# KiCad board main.kicad_pcb
title: 19" DIN 41612 Backplane; date: 2023-11-21; rev: 2.1.0; note: Copyright (©) 2023, Patrick Baus <patrick.baus@physik.tu-darmstadt.de>; note: Licensed under CERN OHL-W v2.0
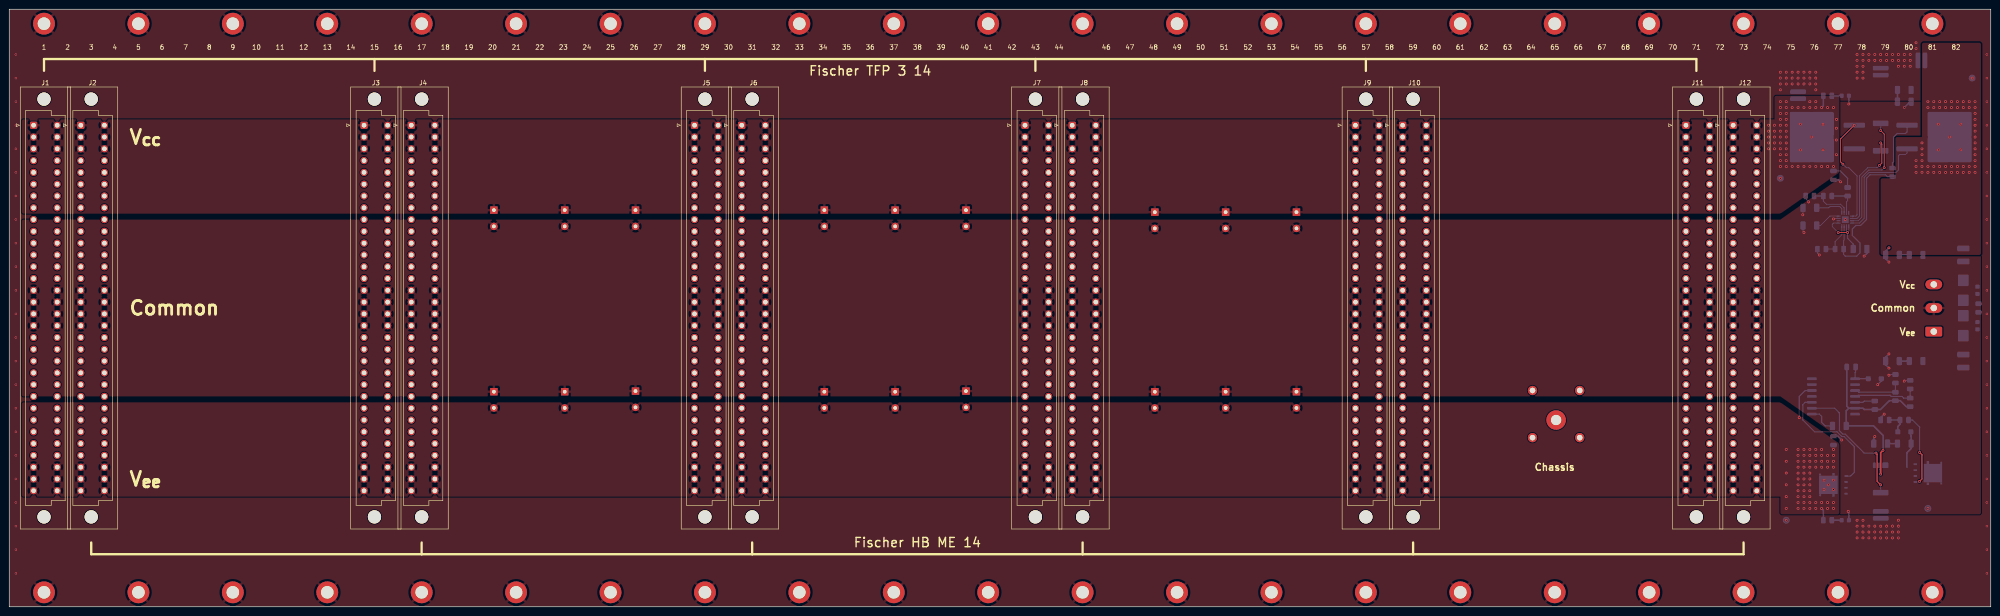
[diagram p0: board, top side]
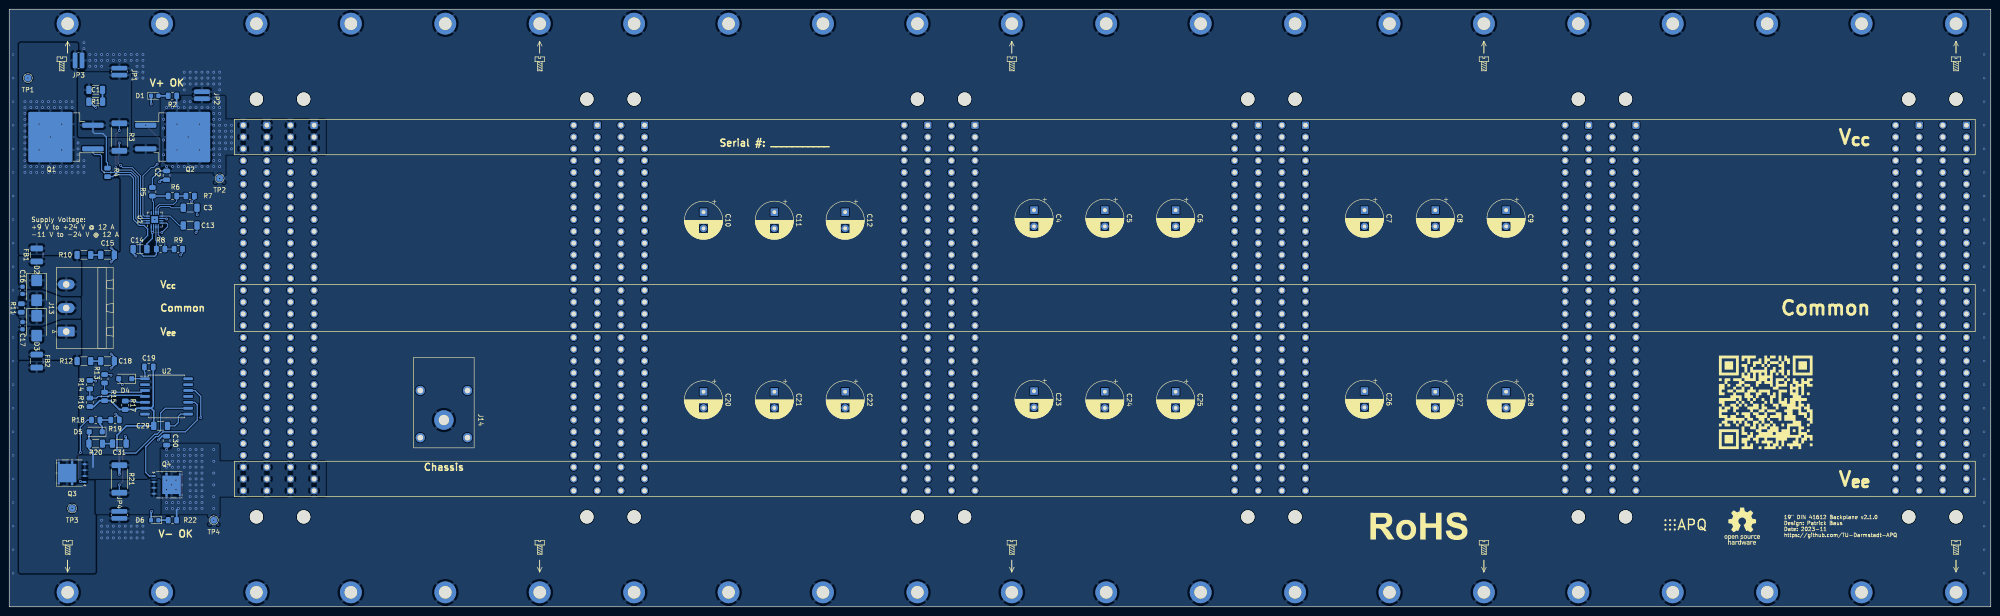
[diagram p1: board, bottom side, seen from below]

Outline 426.42 x 128.7 mm; copper layers: Top, Bottom. Coordinates in mm from the lower left corner of the outline.
Outline path: rectangle 0,128.7 426.42,0
Stack: Top 0.035mm / dielectric 1.51mm FR4 er 4.5 / Bottom 0.035mm

## Placement (name value [footprint] x y rotation side)
C1  1u  [C_1206_3216Metric]  407.82 108.8 0 bottom
C2  100n  [C_0805_2012Metric]  392.58 92.93 270 bottom
C3  1u  [C_1206_3216Metric]  387.5 85.94 180 bottom
C4  220u  [CP_Radial_D8.0mm_P3.50mm]  205.89 85.43 270 bottom
C5  220u  [CP_Radial_D8.0mm_P3.50mm]  190.65 85.43 270 bottom
C6  220u  [CP_Radial_D8.0mm_P3.50mm]  175.41 85.43 270 bottom
C7  220u  [CP_Radial_D8.0mm_P3.50mm]  134.77 85.43 270 bottom
C8  220u  [CP_Radial_D8.0mm_P3.50mm]  119.53 85.43 270 bottom
C9  220u  [CP_Radial_D8.0mm_P3.50mm]  104.29 85.43 270 bottom
C10  220u  [CP_Radial_D8.0mm_P3.50mm]  277.01 85 270 bottom
C11  220u  [CP_Radial_D8.0mm_P3.50mm]  261.77 85 270 bottom
C12  220u  [CP_Radial_D8.0mm_P3.50mm]  246.53 85 270 bottom
C13  470n  [C_1206_3216Metric]  387.5 82.13 180 bottom
C14  1u  [C_1206_3216Metric]  398.29 77.05 0 bottom
C15  1u  [C_1206_3216Metric]  405.28 75.78 180 bottom
C16  10n  [C_0603_1608Metric]  423.57 68.16 90 bottom
C17  10n  [C_0603_1608Metric]  423.57 60.54 270 bottom
C18  1u  [C_1206_3216Metric]  405.28 52.92 0 bottom
C19  100n  [C_0805_2012Metric]  396.39 51.65 180 bottom
C20  220u  [CP_Radial_D8.0mm_P3.50mm]  277.01 46.32 270 bottom
C21  220u  [CP_Radial_D8.0mm_P3.50mm]  261.77 46.32 270 bottom
C22  220u  [CP_Radial_D8.0mm_P3.50mm]  246.53 46.32 270 bottom
C23  220u  [CP_Radial_D8.0mm_P3.50mm]  205.89 46.44 270 bottom
C24  220u  [CP_Radial_D8.0mm_P3.50mm]  190.65 46.32 270 bottom
C25  220u  [CP_Radial_D8.0mm_P3.50mm]  175.41 46.32 270 bottom
C26  220u  [CP_Radial_D8.0mm_P3.50mm]  134.77 46.44 270 bottom
C27  220u  [CP_Radial_D8.0mm_P3.50mm]  119.53 46.32 270 bottom
C28  220u  [CP_Radial_D8.0mm_P3.50mm]  104.29 46.32 270 bottom
C29  1u  [C_1206_3216Metric]  393.85 38.95 0 bottom
C30  100n  [C_0805_2012Metric]  392.58 35.78 270 bottom
C31  1u  [C_1206_3216Metric]  402.74 35.14 0 bottom
D1  Green  [LED_0603_1608Metric]  395.12 110.07 180 bottom
D2  SMBJ40CA  [D_SMB]  420.52 68.16 270 bottom
D3  SMBJ40CA  [D_SMB]  420.52 60.54 270 bottom
D4  3.5 mA  [D_SOD-123F]  401.47 49.11 0 bottom
D5  BZT52H-B15  [D_SOD-123F]  407.82 37.68 0 bottom
D6  Green  [LED_0603_1608Metric]  395.12 18.63 0 bottom
FB1  12R @ 100 MHz  [L_1210_3225Metric]  420.52 75.78 90 bottom
FB2  12R @ 100 MHz  [L_1210_3225Metric]  420.52 52.92 270 bottom
G1  QR_Code  [qr-code]  48.41 44.03 180 bottom
H1  MountingHole  [MountingHole_2.7mm_M2.5_DIN965_Pad]  7.47 125.6 0 top
H2  MountingHole  [MountingHole_2.7mm_M2.5_DIN965_Pad]  27.79 125.6 0 top
H3  MountingHole  [MountingHole_2.7mm_M2.5_DIN965_Pad]  48.11 125.6 0 top
H4  MountingHole  [MountingHole_2.7mm_M2.5_DIN965_Pad]  68.43 125.6 0 top
H5  MountingHole  [MountingHole_2.7mm_M2.5_DIN965_Pad]  88.75 125.6 0 top
H6  MountingHole  [MountingHole_2.7mm_M2.5_DIN965_Pad]  109.07 125.6 0 top
H7  MountingHole  [MountingHole_2.7mm_M2.5_DIN965_Pad]  129.39 125.6 0 top
H8  MountingHole  [MountingHole_2.7mm_M2.5_DIN965_Pad]  149.71 125.6 0 top
H9  MountingHole  [MountingHole_2.7mm_M2.5_DIN965_Pad]  170.03 125.6 0 top
H10  MountingHole  [MountingHole_2.7mm_M2.5_DIN965_Pad]  190.35 125.6 0 top
H11  MountingHole  [MountingHole_2.7mm_M2.5_DIN965_Pad]  210.67 125.6 0 top
H12  MountingHole  [MountingHole_2.7mm_M2.5_DIN965_Pad]  230.99 125.6 0 top
H13  MountingHole  [MountingHole_2.7mm_M2.5_DIN965_Pad]  251.31 125.6 0 top
H14  MountingHole  [MountingHole_2.7mm_M2.5_DIN965_Pad]  271.63 125.6 0 top
H15  MountingHole  [MountingHole_2.7mm_M2.5_DIN965_Pad]  291.95 125.6 0 top
H16  MountingHole  [MountingHole_2.7mm_M2.5_DIN965_Pad]  312.27 125.6 0 top
H17  MountingHole  [MountingHole_2.7mm_M2.5_DIN965_Pad]  332.59 125.6 0 top
H18  MountingHole  [MountingHole_2.7mm_M2.5_DIN965_Pad]  352.91 125.6 0 top
H19  MountingHole  [MountingHole_2.7mm_M2.5_DIN965_Pad]  373.23 125.6 0 top
H20  MountingHole  [MountingHole_2.7mm_M2.5_DIN965_Pad]  393.55 125.6 0 top
H21  MountingHole  [MountingHole_2.7mm_M2.5_DIN965_Pad]  413.87 125.6 0 top
H22  MountingHole  [MountingHole_2.7mm_M2.5_DIN965_Pad]  7.47 3.1 0 top
H23  MountingHole  [MountingHole_2.7mm_M2.5_DIN965_Pad]  27.79 3.1 0 top
H24  MountingHole  [MountingHole_2.7mm_M2.5_DIN965_Pad]  48.11 3.1 0 top
H25  MountingHole  [MountingHole_2.7mm_M2.5_DIN965_Pad]  68.43 3.1 0 top
H26  MountingHole  [MountingHole_2.7mm_M2.5_DIN965_Pad]  88.75 3.1 0 top
H27  MountingHole  [MountingHole_2.7mm_M2.5_DIN965_Pad]  109.07 3.1 0 top
H28  MountingHole  [MountingHole_2.7mm_M2.5_DIN965_Pad]  129.39 3.1 0 top
H29  MountingHole  [MountingHole_2.7mm_M2.5_DIN965_Pad]  149.71 3.1 0 top
H30  MountingHole  [MountingHole_2.7mm_M2.5_DIN965_Pad]  170.03 3.1 0 top
H31  MountingHole  [MountingHole_2.7mm_M2.5_DIN965_Pad]  190.35 3.1 0 top
H32  MountingHole  [MountingHole_2.7mm_M2.5_DIN965_Pad]  210.67 3.1 0 top
H33  MountingHole  [MountingHole_2.7mm_M2.5_DIN965_Pad]  230.99 3.1 0 top
H34  MountingHole  [MountingHole_2.7mm_M2.5_DIN965_Pad]  251.31 3.1 0 top
H35  MountingHole  [MountingHole_2.7mm_M2.5_DIN965_Pad]  271.63 3.1 0 top
H36  MountingHole  [MountingHole_2.7mm_M2.5_DIN965_Pad]  291.95 3.1 0 top
H37  MountingHole  [MountingHole_2.7mm_M2.5_DIN965_Pad]  312.27 3.1 0 top
H38  MountingHole  [MountingHole_2.7mm_M2.5_DIN965_Pad]  332.59 3.1 0 top
H39  MountingHole  [MountingHole_2.7mm_M2.5_DIN965_Pad]  352.91 3.1 0 top
H40  MountingHole  [MountingHole_2.7mm_M2.5_DIN965_Pad]  373.23 3.1 0 top
H41  MountingHole  [MountingHole_2.7mm_M2.5_DIN965_Pad]  393.55 3.1 0 top
H42  MountingHole  [MountingHole_2.7mm_M2.5_DIN965_Pad]  413.87 3.1 0 top
J1  DIN41612_02x32_AC  [DIN41612_C_2x32_Female_Vertical_THT]  5.23 103.72 0 top
J2  DIN41612_02x32_AC  [DIN41612_C_2x32_Female_Vertical_THT]  15.39 103.72 0 top
J3  DIN41612_02x32_AC  [DIN41612_C_2x32_Female_Vertical_THT]  76.35 103.72 0 top
J4  DIN41612_02x32_AC  [DIN41612_C_2x32_Female_Vertical_THT]  86.51 103.72 0 top
J5  DIN41612_02x32_AC  [DIN41612_C_2x32_Female_Vertical_THT]  147.47 103.72 0 top
J6  DIN41612_02x32_AC  [DIN41612_C_2x32_Female_Vertical_THT]  157.63 103.72 0 top
J7  DIN41612_02x32_AC  [DIN41612_C_2x32_Female_Vertical_THT]  218.59 103.72 0 top
J8  DIN41612_02x32_AC  [DIN41612_C_2x32_Female_Vertical_THT]  228.75 103.72 0 top
J9  DIN41612_02x32_AC  [DIN41612_C_2x32_Female_Vertical_THT]  289.71 103.72 0 top
J10  DIN41612_02x32_AC  [DIN41612_C_2x32_Female_Vertical_THT]  299.87 103.72 0 top
J11  DIN41612_02x32_AC  [DIN41612_C_2x32_Female_Vertical_THT]  360.83 103.72 0 top
J12  DIN41612_02x32_AC  [DIN41612_C_2x32_Female_Vertical_THT]  370.99 103.72 0 top
J13  Conn_01x03_Socket  [PhoenixContact_MSTBA_2,5_3-G-5,08_1x03_P5.08mm_Horizontal]  414.17 59.27 90 bottom
J14  Conn_01x01_Female  [Schuetzinger_4mm_Jack]  332.89 40.22 270 bottom
JP1  Thermal  [R_0612_1632Metric]  402.74 115.27 90 bottom
JP2  Thermal  [R_0612_1632Metric]  384.96 110.19 90 bottom
JP3  Thermal  [R_0612_1632Metric]  411.51 117.69 180 bottom
JP4  Thermal  [R_0612_1632Metric]  402.74 19.78 90 bottom
LOGO1  Logo_APQ  [APQ-Logo_small]  70 18.63 180 bottom
LOGO2  Logo_RoHS  [RoHS-Logo_6mm_SilkScreen]  123.04 17.36 180 bottom
LOGO3  Logo_Open_Hardware_Small  [OSHW-Logo_7.5x8mm_SilkScreen]  53.49 17.36 180 bottom
NT1  NetTie_2  [NET-TIE-0.20mm]  402.74 102.81 90 bottom
NT2  NetTie_2  [NET-TIE-0.20mm]  402.74 99.66 270 bottom
NT3  NetTie_2  [NetTie-2_SMD_Pad0.5mm]  402.74 29.05 270 bottom
NT4  NetTie_2  [NET-TIE-0.20mm]  402.74 25.49 90 bottom
Q1  SQM120P06  [TO-263-2]  416.08 101.18 0 bottom
Q2  SQM120P06  [TO-263-2]  389.4 101.18 180 bottom
Q3  SQJQ160E  [PowerPAK_SO-8L_Single]  412.9 28.79 0 bottom
Q4  SQJQ160E  [PowerPAK_SO-8L_Single]  392.58 26.25 180 bottom
R1  22R  [R_1206_3216Metric]  407.82 111.34 180 bottom
R2  10k  [R_0805_2012Metric]  391.31 110.07 0 bottom
R3  3m  [R_2512_6332Metric]  402.74 101.18 270 bottom
R4  221k  [R_0805_2012Metric]  405.28 93.56 270 bottom
R5  59k  [R_0805_2012Metric]  395.63 89.39 270 bottom
R6  1.65k  [R_0805_2012Metric]  391.31 88.48 180 bottom
R7  10k  [R_0805_2012Metric]  387.5 88.48 180 bottom
R8  30.1k  [R_0805_2012Metric]  393.85 77.05 180 bottom
R9  10k  [R_0805_2012Metric]  390.04 77.05 180 bottom
R10  22R  [R_1206_3216Metric]  410.36 75.78 180 bottom
R11  1M  [R_0805_2012Metric]  423.82 64.35 270 bottom
R12  22R  [R_1206_3216Metric]  410.36 52.92 0 bottom
R13  45.3k  [R_0805_2012Metric]  405.91 49.11 270 bottom
R14  45.3k  [R_0805_2012Metric]  409.09 47.84 270 bottom
R15  17.4k  [R_0805_2012Metric]  405.91 45.3 270 bottom
R16  4.7k  [R_0805_2012Metric]  409.09 44.03 270 bottom
R17  30.1k  [R_0805_2012Metric]  401.47 43.39 270 bottom
R18  100R  [R_0805_2012Metric]  407.82 40.22 0 bottom
R19  100k  [R_0805_2012Metric]  403.65 40.22 0 bottom
R20  22R  [R_1206_3216Metric]  407.82 35.14 0 bottom
R21  3m  [R_2512_6332Metric]  402.74 27.52 270 bottom
R22  10k  [R_0805_2012Metric]  391.31 18.63 180 bottom
SYM1  SYM_Screw  [Symbol_screw]  415.14 115.44 180 bottom
SYM2  SYM_Screw  [Symbol_screw]  312.27 115.44 180 bottom
SYM3  SYM_Screw  [Symbol_screw]  210.67 115.44 180 bottom
SYM4  SYM_Screw  [Symbol_screw]  109.07 115.44 180 bottom
SYM5  SYM_Screw  [Symbol_screw]  7.47 115.44 180 bottom
SYM6  SYM_Screw  [Symbol_screw]  413.87 11.3 180 bottom
SYM7  SYM_Screw  [Symbol_screw]  312.27 11.3 180 bottom
SYM8  SYM_Screw  [Symbol_screw]  210.67 11.3 180 bottom
SYM9  SYM_Screw  [Symbol_screw]  109.07 11.3 180 bottom
SYM10  SYM_Screw  [Symbol_screw]  7.47 11.3 180 bottom
TP1  TestPoint  [TestPoint_Pad_D1.5mm]  422.42 113.88 180 bottom
TP2  TestPoint  [TestPoint_Pad_D1.5mm]  381.15 92.29 180 bottom
TP3  TestPoint  [TestPoint_Pad_D1.5mm]  412.9 21.17 180 bottom
TP4  TestPoint  [TestPoint_Pad_D1.5mm]  382.42 18.63 180 bottom
U1  ADM1270  [QFN-16-1EP_3x3mm_P0.5mm_EP1.45x1.45mm]  395.12 83.4 90 bottom
U2  LM5067  [SOIC-14W_7.5x9mm_P1.27mm]  392.58 45.3 180 bottom

## Library data of the parts
C1 C31 = -: Description: Unpolarized capacitor; MFN: Kemet; Note: >= 100 V; PN: C1206C105K1RACAUTO; RoHS: Yes; Temperature: Tstorage = –55 °C to 155 °C; digikey#: 399-13374-1-ND
C2 C19 C30 = -: Description: Unpolarized capacitor; MFN: Kemet; PN: C0805C104K1RACAUTO; RoHS: Yes; Temperature: Tstorage = –55 °C to 155 °C; digikey#: 399-6926-1-ND
C3 C14 C29 = -: Description: Unpolarized capacitor; MFN: Kemet; PN: C1206C105K1RACAUTO; RoHS: Yes; Temperature: Tstorage = –55 °C to 155 °C; digikey#: 399-13374-1-ND
C4-C12 C20-C28 = -: Description: Polarized capacitor; MFN: Rubycon; PN: 35YXJ220M8X11.5; RoHS: Yes; Temperature: Tstorage = –40 °C to 105 °C
C13 = -: Description: Unpolarized capacitor; MFN: Kemet; PN: C1206C474K1RECAUTO; RoHS: Yes; Temperature: Tstorage = –55 °C to 155 °C; digikey#: 399-C1206C474K1RECAUTOCT-ND
C15 C18 = -: Description: Unpolarized capacitor; MFN: Kemet; Note: >= 100 V, Height <=2.3 mm; PN: C1206C105K1RACAUTO; RoHS: Yes; Temperature: Tstorage = –55 °C to 155 °C; digikey#: 399-13374-1-ND
C16 C17 = -: Description: Unpolarized capacitor; MFN: Kemet; Note: >= 200V; PN: C0603C103K2RECAUTO; RoHS: Yes; Temperature: Tstorage = –55 °C to 155 °C; digikey#: 399-14191-1-ND
D1 D6 = -: Description: Light emitting diode; MFN: Osram; PN: LG L29K-G2J1-24; RoHS: Yes; Temperature: Tstorage = –40 °C to 100 °C
D2 D3 = -: Description: Bidirectional transient-voltage-suppression diode; MFN: Littlefuse; PN: SZ1SMB40CAT3G; RoHS: Yes; Temperature: Tstorage = –55 °C to 150 °C
D4 = -: Description: Diode; MFN: Semitec; PN: S-352T; RoHS: Yes; Temperature: Tstorage = –40 °C to 150 °C
D5 = -: Description: 500mW Zener Diode, SOD-123F; MFN: Nexperia; PN: BZT52H-B15\,115; RoHS: Yes; Temperature: Tstorage = –65 °C to 150 °C; digikey#: 1727-1598-1-ND
FB1 FB2 = -: Description: Ferrite bead; Alternative: Murata BLE32SN120SH1L; MFN: Murata; PN: BLE32SN120BH1L; RoHS: Yes; Temperature: Tstorage = –55 °C to 150 °C
G1 = -: Sim.Enable: 0
H1-H42 = -: Description: Mounting Hole with connection; DNP: 1
J1 J3 J5 J7 J9 J11 = -: Description: DIN41612 connector, double row (AC), 02x32, script generated (kicad-library-utils/schlib/autogen/connector/); Alternative: Harting 09032646824; Config: +HBME,-TFP; MFN: ept; Note: Use performance class 1 (500 mating cycles) or 2 (400 mating cycles), Pin length 2.9mm to 3.4 max; PN: 304-40054-01; RoHS: Yes; Temperature: Tstorage = –55 °C to 125 °C; digikey#: 1195-1175-ND; mouser#: 617-09-03-264-6825; variant: HBME
J2 J4 J6 J8 J10 J12 = -: Description: DIN41612 connector, double row (AC), 02x32, script generated (kicad-library-utils/schlib/autogen/connector/); Alternative: Harting 09032646824; Config: -HBME,+TFP; MFN: ept; Note: Use performance class 1 (500 mating cycles) or 2 (400 mating cycles), Pin length 2.9mm to 3.4 max; PN: 304-40054-01; RoHS: Yes; Temperature: Tstorage = –55 °C to 125 °C; digikey#: 1195-1175-ND; mouser#: 617-09-03-264-6825; variant: TFP
J13 = -: Description: Generic connector, single row, 01x03, script generated; MFN: Phoenix Contact|Phoenix Contact; PN: 1923872|1911978; RoHS: Yes; Temperature: Tstorage = –40 °C to 100 °C
J14 = -: Description: Generic connector, single row, 01x01, script generated; Alternative: Schützinger SWEB 8094 AU / GN (RoHS by excemption); MFN: Cliff; PN: FCR7350G; RoHS: Yes; Temperature: Tstorage = –25 °C to 80 °C, FCR7350G: -40 °C to 80 °C
JP1-JP4 = -: Description: Jumper, 2-pole, closed/bridged; MFN: Vishay; PN: THJP0612AST1; RoHS: Yes; Temperature: Tstorage = –65 °C to 150 °C
LOGO1 = -: Description: Atoms - Photons - Quanta; Sim.Enable: 0
LOGO2 = -: Description: RoHS logo, small; Sim.Enable: 0
LOGO3 = -: Description: Open Hardware logo, small
NT1-NT4 = -: Description: Net tie, 2 pins
Q1 Q2 = -: Description: P-MOSFET transistor, gate/drain/source; MFN: Vishay; Note: Vds >= 60V; PN: SQM120P06-07L; RoHS: By exemption; Temperature: Tstorage = –75 °C to 175 °C
Q3 Q4 = -: Description: N-MOSFET transistor, gate/drain/source; MFN: Vishay; Note: Vds >= 60V; RoHS: Yes; Temperature: Tstorage = –75 °C to 175 °C
R1 R10 R12 R20 = -: Description: Resistor; MFN: Vishay; Note: 500 mW, anti-surge; PN: RCS120622R0JNEA; RoHS: By exemption; Temperature: Tstorage = –55 °C to 155 °C
R2 R7 R9 R22 = -: Description: Resistor; MFN: Vishay; Note: 1%, 150 V; PN: CRCW080510K0FKEA; RoHS: By exemption; Temperature: Tstorage = –55 °C to 155 °C
R3 R21 = -: Description: Resistor; MFN: Bourns; PN: CRE2512-FZ-R003E-3; RoHS: By exemption; Temperature: Tstorage = –75 °C to 170 °C
R4 = -: Description: Resistor; MFN: Vishay; Note: 1%, 150 V; PN: CRCW0805221KFKEA; RoHS: By exemption; Temperature: Tstorage = –55 °C to 155 °C
R5 = -: Description: Resistor; MFN: Vishay; Note: 1%, 150 V; PN: CRCW080559K0FKEA; RoHS: By exemption; Temperature: Tstorage = –55 °C to 155 °C
R6 = -: Description: Resistor; MFN: Vishay; Note: 1%, 150 V; PN: CRCW08051K65FKEA; RoHS: By exemption; Temperature: Tstorage = –55 °C to 155 °C
R8 R17 = -: Description: Resistor; MFN: Vishay; Note: 1%, 150 V; PN: CRCW080530K1FKEA; RoHS: By exemption; Temperature: Tstorage = –55 °C to 155 °C
R11 = -: Description: Resistor; MFN: Panasonic; Note: 200V; PN: ERJP06F1004V; RoHS: By exemption; Temperature: Tstorage = –55 °C to 155 °C
R13 R14 = -: Description: Resistor; MFN: Vishay; Note: 1%, 150 V; PN: CRCW080545K3FKEA; RoHS: By exemption; Temperature: Tstorage = –55 °C to 155 °C
R15 = -: Description: Resistor; MFN: Vishay; Note: 1%, 150 V; PN: CRCW080517K4FKEA; RoHS: By exemption; Temperature: Tstorage = –55 °C to 155 °C
R16 = -: Description: Resistor; MFN: Vishay; Note: 1%, 150 V; PN: CRCW08054K70FKEA; RoHS: By exemption; Temperature: Tstorage = –55 °C to 155 °C
R18 = -: Description: Resistor; MFN: Vishay; Note: 1%, 150 V; PN: CRCW0805100RFKEA; RoHS: By exemption; Temperature: Tstorage = –55 °C to 155 °C
R19 = -: Description: Resistor; MFN: Vishay; Note: 1%, 150 V; PN: CRCW0805100KFKEA; RoHS: By exemption; Temperature: Tstorage = –55 °C to 155 °C
SYM1-SYM10 = -: Description: Mounting screw; Sim.Enable: 0
TP1-TP4 = -: Description: test point
U1 = -: Description: High Voltage Input Protection Device; Alternative: Analog Devices ADM1270ACPZ-R2; MFN: Analog Devices; PN: ADM1270ACPZ-R7; RoHS: By exemption; Temperature: Tstorage = –65 °C to 150 °C
U2 = -: Description: Negative Hot Swap / Inrush Current Controller with Power Limiting; MFN: Texas Instruments; PN: LM50672NPAR; RoHS: By exemption; Temperature: Tstorage = –65 °C to 150 °C

## Footprints (pads in the part's own frame, mm; a bottom-side part is the same pattern mirrored in y, then rotated)
C_0603_1608Metric
  rrect 0.9x0.95 smd: 1(-0.775,0) 2(0.775,0)
C_0805_2012Metric
  rrect 1x1.45 smd: 1(-0.95,0) 2(0.95,0)
C_1206_3216Metric
  rrect 1.15x1.8 smd: 1(-1.475,0) 2(1.475,0)
CP_Radial_D8.0mm_P3.50mm
  rect 1.6x1.6 hole 0.8: 1(0,0)
  round 1.6 hole 0.8: 2(3.5,0)
D_SMB
  rrect 2.5x2.3 smd: 1(-2.15,0) 2(2.15,0)
D_SOD-123F
  rrect 1.1x1.1 smd: 1(-1.4,0) 2(1.4,0)
DIN41612_C_2x32_Female_Vertical_THT
  round 2.85 hole 2.85 unplated: (2.24,5.63) (2.24,-84.37)
  rrect 1.55x1.55 hole 1: a1(0,0)
  round 1.55 hole 1: a2(0,-2.54) a3(0,-5.08) a4(0,-7.62) a5(0,-10.16) a6(0,-12.7) a7(0,-15.24) a8(0,-17.78) a9(0,-20.32) a10(0,-22.86) a11(0,-25.4) a12(0,-27.94) a13(0,-30.48) a14(0,-33.02) a15(0,-35.56) a16(0,-38.1) a17(0,-40.64) a18(0,-43.18) a19(0,-45.72) a20(0,-48.26) a21(0,-50.8) a22(0,-53.34) a23(0,-55.88) a24(0,-58.42) a25(0,-60.96) a26(0,-63.5) a27(0,-66.04) a28(0,-68.58) a29(0,-71.12) a30(0,-73.66) a31(0,-76.2) a32(0,-78.74) c1(5.08,0) c2(5.08,-2.54) c3(5.08,-5.08) c4(5.08,-7.62) c5(5.08,-10.16) c6(5.08,-12.7) c7(5.08,-15.24) c8(5.08,-17.78) c9(5.08,-20.32) c10(5.08,-22.86) c11(5.08,-25.4) c12(5.08,-27.94) c13(5.08,-30.48) c14(5.08,-33.02) c15(5.08,-35.56) c16(5.08,-38.1) c17(5.08,-40.64) c18(5.08,-43.18) c19(5.08,-45.72) c20(5.08,-48.26) c21(5.08,-50.8) c22(5.08,-53.34) c23(5.08,-55.88) c24(5.08,-58.42) c25(5.08,-60.96) c26(5.08,-63.5) c27(5.08,-66.04) c28(5.08,-68.58) c29(5.08,-71.12) c30(5.08,-73.66) c31(5.08,-76.2) c32(5.08,-78.74)
L_1210_3225Metric
  rrect 1.25x2.65 smd: 1(-1.4,0) 2(1.4,0)
LED_0603_1608Metric
  rrect 0.875x0.95 smd: 1(-0.787,0) 2(0.787,0)
MountingHole_2.7mm_M2.5_DIN965_Pad
  round 4.7 hole 2.7: 1(0,0)
NET-TIE-0.20mm
  round 0.2 smd: 1(0,0) 2(0.4,0)
NetTie-2_SMD_Pad0.5mm
  round 0.5 smd: 1(-0.5,0) 2(0.5,0)
PhoenixContact_MSTBA_2,5_3-G-5,08_1x03_P5.08mm_Horizontal
  rrect 2.08x3.6 hole 1.4: 1(0,0)
  oval 2.08x3.6 hole 1.4: 2(5.08,0) 3(10.16,0)
PowerPAK_SO-8L_Single
  rrect 1.645x1.63 smd: (0.107,-0.965) (0.107,0.965) (2.053,-0.965) (2.053,0.965)
  rrect 0.72x0.41 smd: 1(-2.715,1.905) 2(-2.715,0.635) 3(-2.715,-0.635) 4(-2.715,-1.905)
  rect 0.51x0.585 smd: 5(0,-2.272) 5(0,2.272)
  rect 3.99x3.96 smd: 5(1.08,0)
  rect 0.41x0.47 smd: 5(2.87,-2.215) 5(2.87,2.215)
QFN-16-1EP_3x3mm_P0.5mm_EP1.45x1.45mm
  rrect 0.58x0.58 smd: (-0.36,-0.36) (-0.36,0.36) (0.36,-0.36) (0.36,0.36)
  rrect 0.875x0.25 smd: 1(-1.438,0.75) 2(-1.438,0.25) 3(-1.438,-0.25) 4(-1.438,-0.75) 9(1.438,-0.75) 10(1.438,-0.25) 11(1.438,0.25) 12(1.438,0.75)
  rrect 0.25x0.875 smd: 5(-0.75,-1.438) 6(-0.25,-1.438) 7(0.25,-1.438) 8(0.75,-1.438) 13(0.75,1.438) 14(0.25,1.438) 15(-0.25,1.438) 16(-0.75,1.438)
  rect 1.45x1.45 smd: 17(0,0)
R_0612_1632Metric
  rrect 1x3.4 smd: 1(-0.75,0) 2(0.75,0)
R_0805_2012Metric
  rrect 1.025x1.4 smd: 1(-0.912,0) 2(0.912,0)
R_1206_3216Metric
  rrect 1.125x1.75 smd: 1(-1.462,0) 2(1.462,0)
R_2512_6332Metric
  rrect 1.225x3.35 smd: 1(-2.962,0) 2(2.962,0)
Schuetzinger_4mm_Jack
  round 2 hole 1.2: (-6.36,-5.08) (-6.36,5.08) (3.8,-5.08) (3.8,5.08)
  round 4.2 hole 2.2: 1(0,0)
SOIC-14W_7.5x9mm_P1.27mm
  rrect 2.05x0.6 smd: 1(-4.65,3.81) 2(-4.65,2.54) 3(-4.65,1.27) 4(-4.65,0) 5(-4.65,-1.27) 6(-4.65,-2.54) 7(-4.65,-3.81) 8(4.65,-3.81) 9(4.65,-2.54) 10(4.65,-1.27) 11(4.65,0) 12(4.65,1.27) 13(4.65,2.54) 14(4.65,3.81)
TestPoint_Pad_D1.5mm
  round 1.5 smd: 1(0,0)
TO-263-2
  rrect 4.6x1.1 smd: 1(-7.65,2.54) 3(-7.65,-2.54)
  rrect 4.55x5.25 smd: 2(-0.925,-2.775) 2(-0.925,2.775) 2(3.925,-2.775) 2(3.925,2.775)
  rrect 9.4x10.8 smd: 2(1.5,0)

## Nets
+15V: C2.1 C4.1 C5.1 C6.1 C7.1 C8.1 C9.1 C10.1 C11.1 C12.1 J1.a1 J1.a2 J1.a3 J1.c1 J1.c2 J1.c3 J2.a1 J2.a2 J2.a3 J2.c1 J2.c2 J2.c3 J3.a1 J3.a2 J3.a3 J3.c1 J3.c2 J3.c3 J4.a1 J4.a2 J4.a3 J4.c1 J4.c2 J4.c3 J5.a1 J5.a2 J5.a3 J5.c1 J5.c2 J5.c3 J6.a1 J6.a2 J6.a3 J6.c1 J6.c2 J6.c3 J7.a1 J7.a2 J7.a3 J7.c1 J7.c2 J7.c3 J8.a1 J8.a2 J8.a3 J8.c1 J8.c2 J8.c3 J9.a1 J9.a2 J9.a3 J9.c1 J9.c2 J9.c3 J10.a1 J10.a2 J10.a3 J10.c1 J10.c2 J10.c3 J11.a1 J11.a2 J11.a3 J11.c1 J11.c2 J11.c3 J12.a1 J12.a2 J12.a3 J12.c1 J12.c2 J12.c3 JP2.1 Q2.2 R2.1 R5.1 TP2.1
-15V: C20.2 C21.2 C22.2 C23.2 C24.2 C25.2 C26.2 C27.2 C28.2 C30.2 J1.a30 J1.a31 J1.a32 J1.c30 J1.c31 J1.c32 J2.a30 J2.a31 J2.a32 J2.c30 J2.c31 J2.c32 J3.a30 J3.a31 J3.a32 J3.c30 J3.c31 J3.c32 J4.a30 J4.a31 J4.a32 J4.c30 J4.c31 J4.c32 J5.a30 J5.a31 J5.a32 J5.c30 J5.c31 J5.c32 J6.a30 J6.a31 J6.a32 J6.c30 J6.c31 J6.c32 J7.a30 J7.a31 J7.a32 J7.c30 J7.c31 J7.c32 J8.a30 J8.a31 J8.a32 J8.c30 J8.c31 J8.c32 J9.a30 J9.a31 J9.a32 J9.c30 J9.c31 J9.c32 J10.a30 J10.a31 J10.a32 J10.c30 J10.c31 J10.c32 J11.a30 J11.a31 J11.a32 J11.c30 J11.c31 J11.c32 J12.a30 J12.a31 J12.a32 J12.c30 J12.c31 J12.c32 Q4.5 R22.2 TP4.1 U2.12
/Input protection (negative)/Vin: D3.2 FB2.1 J13.1 R12.2
/Input protection (postive)/Vin: D2.1 FB1.1 J13.3 R10.1
GND: C1.2 C2.2 C3.2 C4.2 C5.2 C6.2 C7.2 C8.2 C9.2 C10.2 C11.2 C12.2 C13.2 C14.2 C15.2 C16.1 C17.1 C18.1 C20.1 C21.1 C22.1 C23.1 C24.1 C25.1 C26.1 C27.1 C28.1 C30.1 C31.1 D1.1 D2.2 D3.1 D4.2 D6.2 J1.a15 J1.a16 J1.a17 J1.a18 J1.c15 J1.c16 J1.c17 J1.c18 J2.a15 J2.a16 J2.a17 J2.a18 J2.c15 J2.c16 J2.c17 J2.c18 J3.a15 J3.a16 J3.a17 J3.a18 J3.c15 J3.c16 J3.c17 J3.c18 J4.a15 J4.a16 J4.a17 J4.a18 J4.c15 J4.c16 J4.c17 J4.c18 J5.a15 J5.a16 J5.a17 J5.a18 J5.c15 J5.c16 J5.c17 J5.c18 J6.a15 J6.a16 J6.a17 J6.a18 J6.c15 J6.c16 J6.c17 J6.c18 J7.a15 J7.a16 J7.a17 J7.a18 J7.c15 J7.c16 J7.c17 J7.c18 J8.a15 J8.a16 J8.a17 J8.a18 J8.c15 J8.c16 J8.c17 J8.c18 J9.a15 J9.a16 J9.a17 J9.a18 J9.c15 J9.c16 J9.c17 J9.c18 J10.a15 J10.a16 J10.a17 J10.a18 J10.c15 J10.c16 J10.c17 J10.c18 J11.a15 J11.a16 J11.a17 J11.a18 J11.c15 J11.c16 J11.c17 J11.c18 J12.a15 J12.a16 J12.a17 J12.a18 J12.c15 J12.c16 J12.c17 J12.c18 J13.2 R7.2 R9.2 R11.1 R13.1 R14.1 R19.1 U1.7 U1.17
/Input protection (postive)/Q1-D: FB1.2 JP3.1 Q1.2 TP1.1
/Input protection (postive)/Q1-S: JP1.1 NT1.2 Q1.3 R1.1 R3.1 R4.1
Earth: C16.2 C17.2 H1.1 H2.1 H3.1 H4.1 H5.1 H6.1 H7.1 H8.1 H9.1 H10.1 H11.1 H12.1 H13.1 H14.1 H15.1 H16.1 H17.1 H18.1 H19.1 H20.1 H21.1 H22.1 H23.1 H24.1 H25.1 H26.1 H27.1 H28.1 H29.1 H30.1 H31.1 H32.1 H33.1 H34.1 H35.1 H36.1 H37.1 H38.1 H39.1 H40.1 H41.1 H42.1 J14.1 JP1.2 JP2.2 JP3.2 JP4.1 R11.2
Net-(C1-Pad1): C1.1 R1.2
Net-(C15-Pad1): C15.1 R10.2
Net-(C18-Pad2): C18.2 R12.1
Net-(C31-Pad2): C31.2 R20.1
Net-(D1-A): D1.2 R2.2
Net-(D4-K): C19.1 D4.1 U2.1
Net-(D5-A): D5.2 NT3.1 Q3.2 Q3.3 Q3.4 R20.2 R21.1
Net-(D5-K): D5.1 R18.1 R19.2
Net-(D6-K): D6.1 R22.1
Net-(JP4-B): JP4.2 NT4.1 Q4.2 Q4.3 Q4.4 R21.2
Net-(Q1-G): Q1.1 U1.16
Net-(Q2-G): Q2.1 U1.13
Net-(Q2-S): NT2.2 Q2.3 R3.2
Net-(Q3-D): FB2.2 Q3.5 TP3.1
Net-(Q3-G): Q3.1 R18.2
Net-(Q4-G): Q4.1 U2.10
Net-(U1-ENABLE): C14.1 U1.1 U1.2 U1.5
Net-(U1-FB_PG): R6.2 R7.1 U1.10
Net-(U1-FLB): R5.2 R6.1 U1.11
Net-(U1-OV): R8.2 R9.1 U1.4
Net-(U1-SENSE-): NT2.1 U1.14
Net-(U1-TIMER): C13.1 U1.8
Net-(U1-TIMER_OFF): C3.1 U1.9
Net-(U1-UV): R4.2 R8.1 U1.3
Net-(U1-VIN): NT1.1 U1.15
Net-(U2-OVLO): R14.2 R16.1 U2.4
Net-(U2-PWR): R17.1 U2.5
Net-(U2-SENSE): NT4.2 U2.9
Net-(U2-TIMER): C29.1 U2.8
Net-(U2-UVLO): R13.2 R15.1 U2.3
Net-(U2-VEE): C19.2 C29.2 NT3.2 R15.2 R16.2 R17.2 U2.6

Pads without a net: J1 a4 a5 a6 a7 a8 a9 a10 a11 a12 a13 a14 a19 a20 a21 a22 a23 a24 a25 a26 a27 a28 a29 c4 c5 c6 c7 c8 c9 c10 c11 c12 c13 c14 c19 c20 c21 c22 c23 c24 c25 c26 c27 c28 c29; J2 a4 a5 a6 a7 a8 a9 a10 a11 a12 a13 a14 a19 a20 a21 a22 a23 a24 a25 a26 a27 a28 a29 c4 c5 c6 c7 c8 c9 c10 c11 c12 c13 c14 c19 c20 c21 c22 c23 c24 c25 c26 c27 c28 c29; J3 a4 a5 a6 a7 a8 a9 a10 a11 a12 a13 a14 a19 a20 a21 a22 a23 a24 a25 a26 a27 a28 a29 c4 c5 c6 c7 c8 c9 c10 c11 c12 c13 c14 c19 c20 c21 c22 c23 c24 c25 c26 c27 c28 c29; J4 a4 a5 a6 a7 a8 a9 a10 a11 a12 a13 a14 a19 a20 a21 a22 a23 a24 a25 a26 a27 a28 a29 c4 c5 c6 c7 c8 c9 c10 c11 c12 c13 c14 c19 c20 c21 c22 c23 c24 c25 c26 c27 c28 c29; J5 a4 a5 a6 a7 a8 a9 a10 a11 a12 a13 a14 a19 a20 a21 a22 a23 a24 a25 a26 a27 a28 a29 c4 c5 c6 c7 c8 c9 c10 c11 c12 c13 c14 c19 c20 c21 c22 c23 c24 c25 c26 c27 c28 c29; J6 a4 a5 a6 a7 a8 a9 a10 a11 a12 a13 a14 a19 a20 a21 a22 a23 a24 a25 a26 a27 a28 a29 c4 c5 c6 c7 c8 c9 c10 c11 c12 c13 c14 c19 c20 c21 c22 c23 c24 c25 c26 c27 c28 c29; J7 a4 a5 a6 a7 a8 a9 a10 a11 a12 a13 a14 a19 a20 a21 a22 a23 a24 a25 a26 a27 a28 a29 c4 c5 c6 c7 c8 c9 c10 c11 c12 c13 c14 c19 c20 c21 c22 c23 c24 c25 c26 c27 c28 c29; J8 a4 a5 a6 a7 a8 a9 a10 a11 a12 a13 a14 a19 a20 a21 a22 a23 a24 a25 a26 a27 a28 a29 c4 c5 c6 c7 c8 c9 c10 c11 c12 c13 c14 c19 c20 c21 c22 c23 c24 c25 c26 c27 c28 c29; J9 a4 a5 a6 a7 a8 a9 a10 a11 a12 a13 a14 a19 a20 a21 a22 a23 a24 a25 a26 a27 a28 a29 c4 c5 c6 c7 c8 c9 c10 c11 c12 c13 c14 c19 c20 c21 c22 c23 c24 c25 c26 c27 c28 c29; J10 a4 a5 a6 a7 a8 a9 a10 a11 a12 a13 a14 a19 a20 a21 a22 a23 a24 a25 a26 a27 a28 a29 c4 c5 c6 c7 c8 c9 c10 c11 c12 c13 c14 c19 c20 c21 c22 c23 c24 c25 c26 c27 c28 c29; J11 a4 a5 a6 a7 a8 a9 a10 a11 a12 a13 a14 a19 a20 a21 a22 a23 a24 a25 a26 a27 a28 a29 c4 c5 c6 c7 c8 c9 c10 c11 c12 c13 c14 c19 c20 c21 c22 c23 c24 c25 c26 c27 c28 c29; J12 a4 a5 a6 a7 a8 a9 a10 a11 a12 a13 a14 a19 a20 a21 a22 a23 a24 a25 a26 a27 a28 a29 c4 c5 c6 c7 c8 c9 c10 c11 c12 c13 c14 c19 c20 c21 c22 c23 c24 c25 c26 c27 c28 c29; U1 6 12; U2 2 7 11 13 14

## Via types
v1: diameter 0.6, hole 0.3, Top to Bottom, 307 vias
v2: diameter 0.5, hole 0.3, Top to Bottom, 47 vias

## Routing (per net, layer and track width the routed paths; a pad name or vN(x,y) marks a point on that pad's centre or on a via; arc(x,y) is an arc through that point)
+15V: length 8.4
  Bottom w0.25: C2.1 394.04,93.88 395.63,92.29 R5.1
  Bottom w0.35: v1(390.04,107.53) 390.4,107.89 R2.1
  vias: v1(378.61,103.72) v1(378.61,102.45) v1(378.61,101.18) v1(378.61,99.91) v1(378.61,98.64) v1(379.88,103.72) v1(379.88,102.45) v1(379.88,101.18) v1(379.88,99.91) v1(379.88,98.64) v1(381.15,108.8) v1(381.15,107.53) v1(381.15,106.26) v1(381.15,104.99) v1(381.15,103.72) v1(381.15,102.45) v1(381.15,101.18) v1(381.15,99.91) v1(381.15,98.64) v1(381.15,97.37) v1(381.15,96.1) v1(381.15,94.83) v1(381.15,92.29) v1(382.42,108.8) v1(382.42,107.53) v1(382.42,106.26) v1(382.42,104.99) v1(382.42,103.72) v1(382.42,102.45) v1(382.42,101.18) v1(382.42,99.91) v1(382.42,98.64) v1(382.42,97.37) v1(382.42,96.1) v1(382.42,94.83) v1(383.69,107.53) v1(383.69,94.83) v1(384.96,107.53) v1(384.96,94.83) v1(385.48,103.95) v1(385.48,98.41) v1(386.23,107.53) v1(386.23,94.83) v1(387.5,108.8) v1(387.5,107.53) v1(387.5,94.83) v1(387.9,101.18) v1(388.77,108.8) v1(388.77,107.53) v1(388.77,94.83) v1(390.04,94.83) v1(390.33,103.95) v1(390.33,98.41) v1(391.31,107.53) v1(391.31,94.83) v1(392.58,107.53) v1(392.58,94.83) v1(393.22,104.99) v1(393.22,103.09) v1(393.22,100.55) v1(393.22,97.37)
-15V: length 10.5
  Bottom w0.25: v1(385.21,40.73) 385.21,45.3 386.48,46.57 U2.12
  Bottom w0.35: R22.2 390.4,20.81 v1(390.04,21.17)
  vias: v1(382.42,33.87) v1(382.42,31.33) v1(382.42,28.79) v1(382.42,26.25) v1(382.42,23.71) v1(382.42,21.17) v1(382.42,18.63) v1(384.96,33.87) v1(384.96,32.6) v1(384.96,31.33) v1(384.96,30.06) v1(384.96,28.79) v1(384.96,27.52) v1(384.96,26.25) v1(384.96,24.98) v1(384.96,23.71) v1(384.96,22.44) v1(384.96,21.17) v1(386.23,33.87) v1(386.23,32.6) v1(386.23,31.33) v1(386.23,30.06) v1(386.23,28.79) v1(386.23,27.52) v1(386.23,26.25) v1(386.23,24.98) v1(386.23,23.71) v1(386.23,22.44) v1(386.23,21.17) v1(387.5,33.87) v1(387.5,32.6) v1(387.5,31.33) v1(387.5,30.06) v1(387.5,28.79) v1(387.5,27.52) v1(387.5,26.25) v1(387.5,24.98) v1(387.5,23.71) v1(387.5,22.44) v1(387.5,21.17) v1(388.77,33.87) v1(388.77,32.6) v1(388.77,31.33) v1(388.77,30.06) v1(388.77,22.44) v1(388.77,21.17) v1(390.04,33.87) v1(390.04,32.6) v1(390.04,31.33) v1(390.04,30.06) v1(390.04,22.44) v1(390.55,27.27) v1(390.55,25.23) v1(391.31,32.6) v1(391.31,31.33) v1(391.31,30.06) v1(391.31,22.44) v1(391.31,21.17) v1(391.5,26.25) v1(392.58,33.87) v1(392.58,32.6) v1(392.58,31.33) v1(392.58,30.06) v1(392.58,27.27) v1(392.58,25.23) v1(392.58,22.44) v1(392.58,21.17)
GND: length 33.5
  Bottom w0.2: v1(392.58,83.53) 392.7,83.65 U1.7 ; v1(387.25,87.21) 386.59,87.87 R7.2 ; R9.2 389.13,76.18 v1(389.53,75.78) ; C3.2 386.02,84.47 v1(385.98,84.42) ; C13.2 386.02,80.81 v1(386.23,80.61) ; v1(407.82,48.6) 407.97,48.75 R14.1 ; v1(404.52,49.87) 404.67,50.02 R13.1
  Bottom w0.25: v1(402.11,47.84) 402.87,48.61 D4.2 ; 395.91,108.32 v1(395.88,108.29)
  Bottom w0.35: D1.1 395.91,108.32 ; 401.26,35.14 401.26,36.46 v1(401.47,36.66) ; v1(394.36,35.9) 393.53,36.72 392.58,36.72 ; v1(403.5,41.49) 402.74,40.73 R19.1 ; 409.29,108.8 409.09,108.8 v2(407.82,107.53) ; v1(404.52,77.3) 403.8,76.59 C15.2 403.8,74.97 v1(404.52,74.26) ; C14.2 399.77,76.11 v1(399.18,75.53) ; v1(394.1,91.53) 393.66,91.97 C2.2 ; v1(404.52,51.4) 403.8,52.11 C18.1 403.8,53.73 v1(404.52,54.44) ; v1(395.75,20.53) 395.91,20.38 D6.2
  vias: v1(395.12,83.4)
/Input protection (postive)/Q1-D:
  vias: v1(410.36,96.1) v1(410.36,94.83) v1(410.36,93.56) v1(411.63,99.91) v1(411.63,98.64) v1(411.63,97.37) v1(411.63,96.1) v1(411.63,94.83) v1(411.63,93.56) v1(412.9,108.8) v1(412.9,107.53) v1(412.9,94.83) v1(412.9,93.56) v1(414.17,108.8) v1(414.17,107.53) v1(414.17,94.83) v1(414.17,93.56) v1(415.15,103.95) v1(415.15,98.41) v1(415.44,108.8) v1(415.44,107.53) v1(415.44,94.83) v1(415.44,93.56) v1(416.71,108.8) v1(416.71,107.53) v1(416.71,94.83) v1(416.71,93.56) v1(417.58,101.18) v1(417.98,108.8) v1(417.98,107.53) v1(417.98,94.83) v1(417.98,93.56) v1(419.25,108.8) v1(419.25,107.53) v1(419.25,94.83) v1(419.25,93.56) v1(420,103.95) v1(420,98.41) v1(420.52,108.8) v1(420.52,107.53) v1(420.52,94.83) v1(420.52,93.56) v1(421.79,108.8) v1(421.79,107.53) v1(421.79,94.83) v1(421.79,93.56) v1(422.42,113.88) v1(423.06,108.8) v1(423.06,107.53) v1(423.06,106.26) v1(423.06,104.99) v1(423.06,103.72) v1(423.06,102.45) v1(423.06,101.18) v1(423.06,99.91) v1(423.06,98.64) v1(423.06,97.37) v1(423.06,96.1) v1(423.06,94.83) v1(423.06,93.56)
/Input protection (postive)/Q1-S: length 12.5
  Bottom w0.2: NT1.2 R3.1
  Bottom w0.25: Q1.3 408.42,102.29 408.07,101.94 406.3,101.94 405.53,101.18 405.53,95.89 405.28,95.63 R4.1
Earth:
  vias: v1(381.15,115.15) v1(381.15,113.88) v1(381.15,112.61) v1(381.15,111.34) v1(382.42,115.15) v1(382.42,113.88) v1(382.42,112.61) v1(383.69,115.15) v1(383.69,113.88) v1(383.69,112.61) v1(384.96,115.15) v1(384.96,113.88) v1(384.96,112.61) v1(386.23,115.15) v1(386.23,113.88) v1(386.23,112.61) v1(387.5,115.15) v1(387.5,113.88) v1(387.5,112.61) v1(388.77,115.15) v1(388.77,113.88) v1(388.77,112.61) v1(388.77,111.34) v1(397.66,118.96) v1(397.66,117.69) v1(397.66,116.42) v1(397.66,115.15) v1(397.66,113.88) v1(397.66,18.63) v1(397.66,17.36) v1(397.66,16.09) v1(397.66,14.82) v1(398.93,118.96) v1(398.93,117.69) v1(398.93,116.42) v1(398.93,115.15) v1(398.93,113.88) v1(398.93,18.63) v1(398.93,17.36) v1(398.93,16.09) v1(398.93,14.82) v1(400.2,118.96) v1(400.2,117.69) v1(400.2,17.36) v1(400.2,16.09) v1(400.2,14.82) v1(401.47,118.96) v1(401.47,117.69) v1(401.47,17.36) v1(401.47,16.09) v1(401.47,14.82) v1(402.74,118.96) v1(402.74,117.69) v1(402.74,17.36) v1(402.74,16.09) v1(402.74,14.82) v1(404.01,118.96) v1(404.01,117.69) v1(404.01,17.36) v1(404.01,16.09) v1(404.01,14.82) v1(405.28,118.96) v1(405.28,117.69) v1(405.28,17.36) v1(405.28,16.09) v1(405.28,14.82) v1(406.55,118.96) v1(406.55,117.69) v1(406.55,116.42) v1(406.55,18.63) v1(406.55,17.36) v1(406.55,16.09) v1(406.55,14.82) v1(407.82,118.96) v1(407.82,117.69) v1(407.82,116.42) v1(409.09,118.96) v1(409.09,117.69) v1(409.09,116.42) v1(410.36,121.5) v1(410.36,120.23) v2(1.42,118.96) v2(1.42,113.88) v2(1.42,108.8) v2(1.42,103.72) v2(1.42,98.64) v2(1.42,93.56) v2(1.42,88.48) v2(1.42,83.4) v2(1.42,78.32) v2(1.42,73.24) v2(1.42,68.16) v2(1.42,63.08) v2(1.42,58) v2(1.42,52.92) v2(1.42,47.84) v2(1.42,42.76) v2(1.42,37.68) v2(1.42,32.6) v2(1.42,27.52) v2(1.42,22.44) v2(1.42,17.36) v2(1.42,12.28) v2(1.42,7.2) v2(425.6,118.96) v2(425.6,113.88) v2(425.6,108.8) v2(425.6,103.72) v2(425.6,98.64) v2(425.6,93.56) v2(425.6,88.48) v2(425.6,83.4) v2(425.6,78.32) v2(425.6,73.24) v2(425.6,68.16) v2(425.6,63.08) v2(425.6,58) v2(425.6,52.92) v2(425.6,47.84) v2(425.6,42.76) v2(425.6,37.68) v2(425.6,32.6) v2(425.6,27.52) v2(425.6,22.44) v2(425.6,17.36) v2(425.6,12.28) v2(425.6,7.2)
Net-(C1-Pad1): length 2.5
  Bottom w0.35: C1.1 406.36,108.81 R1.2
Net-(C15-Pad1): length 2.1
  Bottom w0.35: R10.2 C15.1
Net-(C18-Pad2): length 2.1
  Bottom w0.35: R12.1 C18.2
Net-(C31-Pad2): length 2.1
  Bottom w0.35: C31.2 R20.1
Net-(D1-A): length 2.1
  Bottom w0.35: R2.2 D1.2
Net-(D4-K): length 5.4
  Bottom w0.25: D4.1 U2.1 397.23,50.46 397.34,50.57 C19.1
Net-(D5-A): length 8.9
  Bottom w0.35: 408.39,30.06 408.39,33.17 409.28,34.06 R20.2 409.28,36.73 409.22,36.79 D5.2
  Bottom w0.5: NT3.1 R21.1
Net-(D5-K): length 5.1
  Bottom w0.35: R19.2 R18.1 406.91,39.31 406.42,38.82 D5.1
Net-(D6-K): length 2.1
  Bottom w0.35: D6.1 R22.1
Net-(JP4-B): length 0.9
  Bottom w0.2: R21.2 NT4.1
Net-(Q1-G): length 26
  Bottom w0.2: U1.16 398.18,82.65 399.18,83.65 399.18,92.5 400.24,93.56 406.04,93.56 406.55,94.07 406.55,97.12 406.83,97.39 408.05,97.39 408.42,97.77 Q1.1
Net-(Q2-G): length 23.5
  Top w0.2: v1(397.05,103.72) 394.1,100.77 394.1,95.85 v1(394.61,95.34)
  Bottom w0.2: v1(394.61,95.34) 395.37,94.58 395.88,94.58 397.66,92.8 397.66,84.42 397.39,84.15 U1.13
Net-(Q2-S): length 1
  Bottom w0.2: NT2.2 R3.2
Net-(Q3-D):
  vias: v1(412.9,21.17)
Net-(Q3-G): length 16.1
  Top w0.25: v1(411.12,27.01) 411.63,27.52 411.63,32.73 v1(411.12,33.23)
  Bottom w0.25: v1(411.12,33.23) 411.12,38.7 409.6,40.22 R18.2 ; Q3.1 411,26.89 v1(411.12,27.01)
Net-(Q4-G): length 26.5
  Bottom w0.25: Q4.1 396.26,28.16 397.05,28.95 397.05,34.47 394.87,36.66 394.36,36.66 393.34,37.68 388.52,37.68 385.98,40.22 385.98,43.52 386.48,44.03 U2.10
Net-(U1-ENABLE): length 12.8
  Top w0.2: v1(395.63,80.61) v1(393.6,80.61)
  Bottom w0.2: U1.2 395.37,80.86 v1(395.63,80.61) 395.87,80.85 U1.1 ; U1.5 392.59,82.65 392.33,82.38 392.33,81.88 v1(393.6,80.61)
  Bottom w0.25: v1(395.63,80.61) 395.63,79.34 396.82,78.14 C14.1
Net-(U1-FB_PG): length 9.3
  Bottom w0.2: U1.10 394.87,85.94 394.11,86.7 391.06,86.7 390.4,87.36 R6.2
  Bottom w0.25: R7.1 R6.2
Net-(U1-FLB): length 7.2
  Bottom w0.2: R5.2 395.63,87.46 395.37,87.21 U1.11
  Bottom w0.25: R6.1 R5.2
Net-(U1-OV): length 7.5
  Bottom w0.2: R9.1 R8.2 392.94,78.68 394.37,80.11 U1.4
Net-(U1-SENSE-): length 21.2
  Top w0.2: v1(402.74,99.91) 402.99,99.66 402.99,95.59 v1(402.49,95.08)
  Bottom w0.2: NT2.1 402.74,99.96 ; v1(402.49,95.08) 401.98,94.58 399.95,94.58 398.17,92.8 398.17,84.16 397.66,83.65 U1.14
Net-(U1-TIMER): length 5.5
  Bottom w0.2: 388.98,82.13 389.8,82.13 391.82,84.15 U1.8
Net-(U1-TIMER_OFF): length 7.1
  Bottom w0.2: 388.45,85.94 391.56,85.94 391.82,86.19 393.94,86.19 394.37,85.76 U1.9
Net-(U1-UV): length 34.7
  Bottom w0.2: U1.3 394.87,79.02 arc(394.85,78.95) 394.81,78.88 arc(394.78,78.83) 394.76,78.76 R8.1
  Bottom w0.25: R4.2 404.16,92.65 403.76,93.05 400.45,93.05 399.69,92.29 399.69,83.4 398.42,82.13 397.41,82.13 396.64,81.37 396.64,79.97 398.29,78.32 398.29,76.24 397.58,75.53 395.12,75.53 394.76,75.88 R8.1
Net-(U1-VIN): length 25.3
  Top w0.2: v1(402.74,102.58) 403.5,101.81 v1(403.5,94.58)
  Bottom w0.2: v1(402.74,102.58) NT1.1 ; v1(403.5,94.58) 402.99,94.07 400.17,94.07 398.68,92.58 398.68,83.91 397.92,83.15 U1.15
Net-(U2-OVLO): length 15.1
  Bottom w0.25: R14.2 R16.1 407.67,44.94 407.31,45.3 405.03,45.3 404.77,45.55 397.91,45.55 397.66,45.3 396.33,45.3
Net-(U2-PWR): length 5.3
  Bottom w0.25: R17.1 399.21,44.31 398.93,44.03 396.33,44.03
Net-(U2-SENSE): length 27.7
  Top w0.25: v1(402.74,26.25) 401.98,27.01 401.98,32.85 v1(401.72,33.11)
  Bottom w0.2: NT4.2 v1(402.74,26.25)
  Bottom w0.25: v1(401.72,33.11) 399.18,33.11 395.12,37.17 394.61,37.17 393.85,37.93 393.85,41.74 392.83,42.76 U2.9
Net-(U2-TIMER): length 6.2
  Bottom w0.25: U2.8 389.53,41.49 390.04,40.98 390.04,39.71 390.8,38.95 C29.1
Net-(U2-UVLO): length 11.7
  Bottom w0.25: 396.33,46.57 397.66,46.57 398.02,46.21 R15.1 R13.2
Net-(U2-VEE): length 45.1
  Top w0.35: v1(403.25,33.68) 402.74,33.17 v1(402.74,28.55)
  Bottom w0.35: 395.88,42.76 395.33,42.2 C29.2 401.22,38.95 403.25,36.92 v1(403.25,33.68) ; 395.88,42.76 395.44,43.2 C19.2 ; 395.88,42.76 U2.6 398.93,42.76 399.21,42.48 R17.2 402.72,42.48 404.62,44.39 R15.2 406.95,44.39 408.22,43.12 R16.2

## Copper pours and planes (outline as drawn; the poured copper is in the pictures)
+15V on Top: 393.85,93.56 381.15,84.67 2.69,84.67 2.69,104.99 379.88,104.99 379.88,110.07 393.85,110.07
+15V on Bottom: 393.85,110.07 393.85,93.56 382.42,93.56 382.42,91.02 379.88,91.02 379.88,97.37 358.29,97.37 358.29,104.99 379.88,104.99 379.88,110.07
-15V on Top: 393.85,35.14 393.85,19.9 381.15,19.9 381.15,23.71 2.69,23.71 2.69,44.03 381.15,44.03
-15V on Bottom: 393.85,35.14 393.85,19.9 383.69,19.9 383.69,17.36 381.15,17.36 381.15,23.71 358.29,23.71 358.29,31.33 381.15,31.33 381.15,35.14
/Input protection (negative)/Vin on Bottom: 411,64.35 424.33,64.35 424.33,52.92 411,52.92
/Input protection (postive)/Vin on Bottom: 411,64.35 424.33,64.35 424.33,75.78 411,75.78
GND on Top: 424.33,19.9 393.85,19.9 393.85,36.41 381.15,45.3 2.69,45.3 2.69,83.4 381.15,83.4 393.85,92.29 393.85,108.8 424.33,108.8
GND on Bottom: 415.19,66.64 419.25,68.16 424.33,68.16 424.33,60.54 419.25,60.54 415.19,62.06 411,62.06 411,66.64
/Input protection (postive)/Q1-D on Top, Bottom: 411.63,101.18 405.91,101.18 405.91,92.29 402.74,92.29 402.74,75.78 424.33,75.78 424.33,121.5 411.63,121.5
/Input protection (postive)/Q1-S on Bottom: 411.63,115.15 400.2,115.15 400.2,101.18 411.63,101.18
Earth on Top: 0,128.7 0,0 426.42,0 426.42,128.7
Earth on Bottom: 426.42,0 0,0 0,128.7 426.42,128.7
Net-(D5-A) on Bottom: 411.63,32.6 398.93,32.6 397.41,34.12 397.41,28.54 396.39,27.52 411.63,27.52
Net-(JP4-B) on Bottom: 407.82,19.9 393.85,19.9 393.85,27.52 407.82,27.52
Net-(Q2-S) on Bottom: 405.28,93.05 397.66,93.05 393.85,95.59 393.85,101.18 405.28,101.18
Net-(Q3-D) on Bottom: 407.82,27.52 411.63,27.52 411.63,52.92 424.33,52.92 424.33,7.2 407.82,7.2

## Text on the board
B.Silkscreen: 19{dblquote} DIN 41612 Backplane v2.1.0 / Design: Patrick Baus / Date: 2023-11 / https://github.com/TU-Darmstadt-APQ | Supply Voltage: / +9 V to +24 V @ 12 A / -11 V to -24 V @ 12 A | V_{cc} | Common | V_{ee} | V- OK | V+ OK | Serial #: ___________ | Chassis
User.Comments: 84 HP wide (PCB is 84 HP - 0.3 mm wide) / 1 HP = 5.08 mm / Dimensions are in accordance with IEEE 1101.1-1991 and 1101.10-1996 / Designed on a 1.27 mm (50 mil) grid | Manufacturing Instruction: / - Material FR-4 / - Finished thickness: 1.57 mm ± 0.13 mm / - Surface finish: Leadfree HASL / - PCBs must be RoHS compliant / - Do not edit artwork, e.g. to add logos / or order numbers / - Clean to meet IPC J-STD-001E, Class 2 / after assembly | Stackup: | Note: Maximum allowable through-hole pin protrusion on the front side is 2.3 mm. / The 4mm jacks protrude 1.9 mm | Material | Copper | Core | Thickness | 70 µm | 1.5 mm
F.Silkscreen: 1 | 2 | 3 | 4 | 5 | 6 | 7 | 8 | 9 | 10 | 11 | 12 | 13 | 14 | 15 | 16 | 17 | 18 | 19 | 20 | 21 | 22 | 23 | 24 | 25 | 26 | 27 | 28 | 29 | 30 | 31 | 32 | 33 | 34 | 35 | 36 | 37 | 38 | 39 | 40 | 41 | 42 | 43 | 44 | 46 | 47 | 48 | 49 | 50 | 51 | 52 | 53 | 54 | 55 | 56 | 57 | 58 | 59 | 60 | 61 | 62 | 63 | 64 | 65 | 66 | 67 | 68 | 69 | 70 | 71 | 72 | 73 | 74 | 75 | 76 | 77 | 78 | 79 | 80 | 81 | 82 | Chassis | V_{cc} | Common | V_{ee} | Fischer TFP 3 14 | Fischer HB ME 14
